# KiCad board 8-Bit CPU 32k.kicad_pcb (continued)
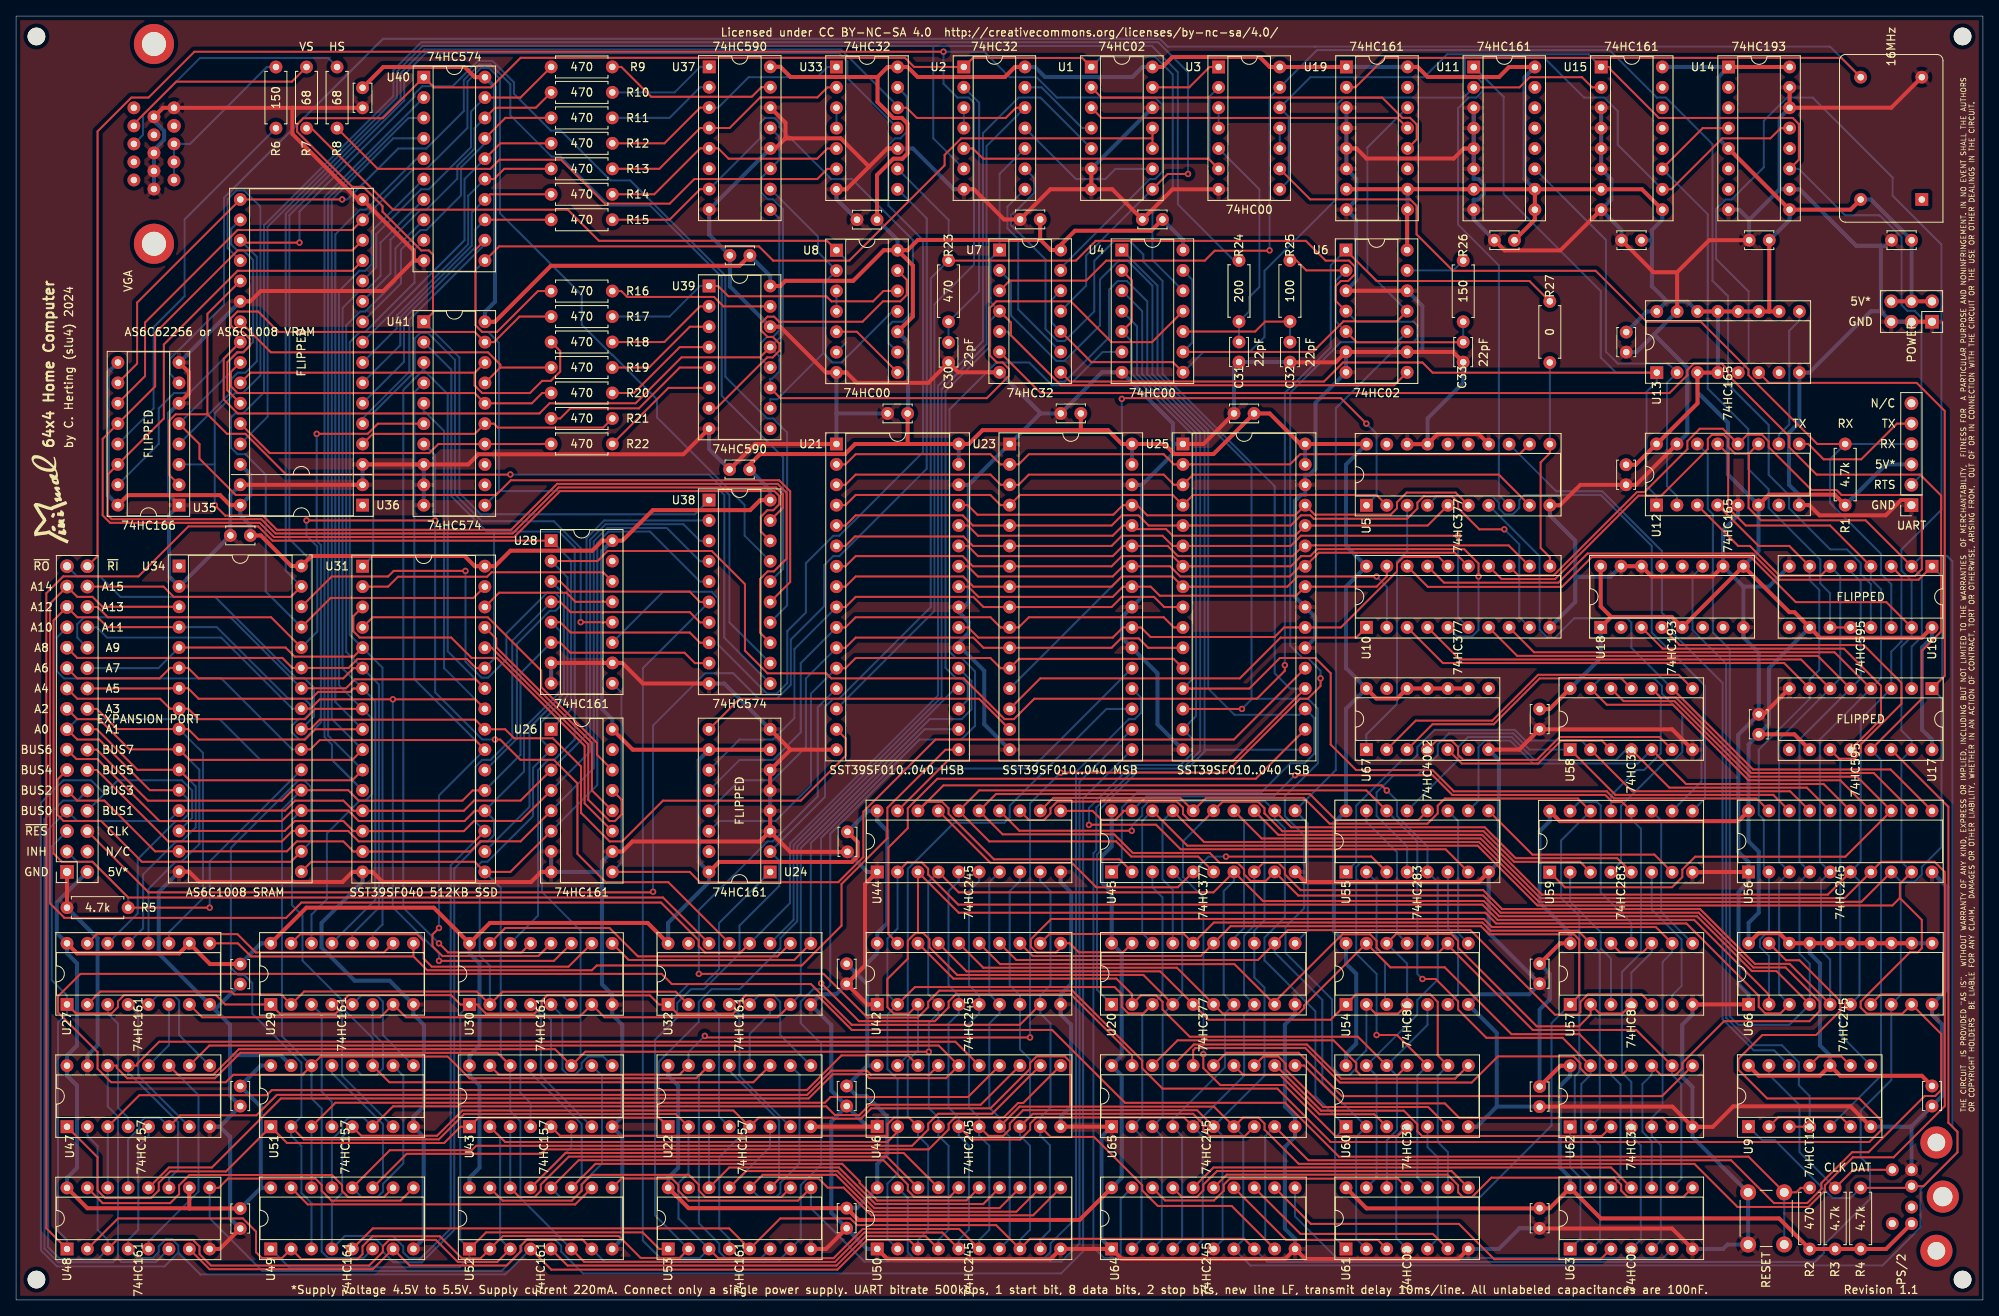
[diagram p0: board, top side]
## Routing (per net, layer and track width the routed paths; a pad name or vN(x,y) marks a point on that pad's centre or on a via; arc(x,y) is an arc through that point) (continued)
/Memory and MAR/INH: length 43.3
  Top w0.25: R5.2 v1(24.13,48.9)
  Bottom w0.25: J3.3 7.63,54.61 9.52,54.61 13.97,50.16 R5.2 ; U34.22 24.13,54.65 v1(24.13,48.9)
/PS2 Receiver/PS2_CLK: length 26.7
  Top w0.25: J2.5 228.95,16.22 R3.2
  Bottom w0.25: U9.13 218.44,28.09 222.25,24.28 222.25,18.42 R3.2
/PS2 Receiver/PS2_DAT: length 85.7
  Top w0.25: R4.2 236,13.97 236.21,14.17 237.69,14.17 241.94,18.41 241.94,20.95 240.8,22.09 240.8,61.46 U17.14
  Bottom w0.25: R4.2 228.6,12.7 226.37,12.7 225.57,13.5 225.57,13.51 219.16,19.92 217.58,19.92 U9.1
/UART/UART_RTS: length 138.8
  Top w0.25: U14.11 222.17,142.12 222.17,146.56 221.41,147.32 204.73,147.32 198.66,153.39 198.66,153.67 U15.1
  Bottom w0.25: U14.11 222.15,140.97 227.92,135.19 232.22,135.19 234.97,132.44 234.97,124.01 235.69,123.28 236.6,123.28 237.43,122.45 237.43,102.84 J1.2 ; U3.8 158.6,139.55 158.6,147.47 U3.12 161.29,152.4 175.48,152.4 178.33,155.26 195.95,155.26 U15.1
/UART/UART_RX: length 122.2
  Top w0.25: U3.9 161.28,137.17 173.73,137.17 174.53,136.37 174.53,132.81 179.07,128.27 196.85,128.27 203.2,121.92 209.95,121.92 215.89,115.98 215.89,115.26 224.47,106.68 R1.2
  Bottom w0.25: J1.4 R1.2 226.06,104.8 226.06,99.33 232.41,92.98 232.41,90.49 233.68,89.22 U16.14
/UART/UART_TX: length 16.6
  Top w0.25: J1.5 234.38,109.22 229.94,104.77 225.26,104.77 223.34,106.69 U12.9
/VGA/B0: length 145
  Top w0.25: U36.13 41.92,128.27 27.61,128.27 18.41,119.07 18.41,109.85 12.7,104.14 U35.14 11.43,102.88 11.43,97.79 11.91,97.31 30.56,97.31 32.33,95.53 61.88,95.53 67.61,101.27 94.7,101.27 95.56,100.41 95.56,98.73 U38.19
/VGA/B1: length 151.6
  Top w0.25: U38.18 92.82,95.77 92.82,97.61 93.63,98.42 94.36,98.42 95.11,99.17 95.11,100.21 94.5,100.82 67.8,100.82 62.06,95.08 32.14,95.08 30.37,96.86 11.73,96.86 10.8,97.79 10.8,107.33 U35.12 17.33,113.86 17.33,120.52 27.62,130.81 41.92,130.81 U36.14
/VGA/B2: length 146.9
  Top w0.25: U35.11 16.08,115.15 16.08,121.83 27.6,133.35 41.92,133.35 U36.15
  Bottom w0.25: U36.15 49.54,140.97 51.14,140.97 56.25,146.08 56.25,151.86 57.93,153.54 58.95,153.54 60.3,152.19 60.3,135.45 70.49,125.25 70.49,121.55 74.24,117.8 74.31,117.8 79.87,112.25 79.87,110 90.79,99.07 90.79,95.26 U38.17
/VGA/B3: length 153.5
  Top w0.25: U35.10 15.09,116.7 15.09,124.31 27.94,137.16 U36.17 v1(40.64,137.16)
  Bottom w0.25: v1(40.64,137.16) 41.27,137.16 47.62,143.51 51.13,143.51 55.8,148.18 55.8,152.04 57.74,153.99 59.13,153.99 61.59,151.52 61.59,147.64 66.74,142.5 67.86,142.5 73.96,136.41 79.03,136.41 87.94,127.5 87.94,112.68 95.59,105.03 95.59,91.14 U38.16
/VGA/B4: length 128.7
  Top w0.25: U38.15 96.47,89.48 96.47,100.79 95.09,102.17 61.66,102.17 59.83,100.33 27.38,100.33 22.86,104.84 22.86,106.67 U35.5
  Bottom w0.25: 26.66,115.57 U35.5 ; 26.67,115.57 26.67,117.16 27.62,118.11 28.27,118.11 29.54,119.39 29.54,129.62 28.35,130.81 27.57,130.81 26.81,131.57 26.81,133.49 U36.18
/VGA/B5: length 162.9
  Top w0.25: U36.19 28.25,131.78 v1(35.32,131.78)
  Bottom w0.25: U35.4 26.81,113.18 26.81,114.75 27.62,115.57 28.58,115.57 30,117 30,130.02 U36.19 ; U38.14 96.09,86.56 96.09,108.12 94.35,109.86 93.59,109.86 88.39,115.07 88.39,127.69 76.53,139.54 74.09,139.54 67.88,145.74 66.63,145.74 62.04,150.32 62.04,151.75 59.36,154.44 57.56,154.44 54.4,151.27 50.62,151.27 49.66,150.32 49.66,149.99 35.32,135.65 v1(35.32,131.78)
/VGA/B6: length 154.7
  Top w0.25: v1(24.77,99.06) 26.07,97.76 30.74,97.76 32.52,95.98 61.69,95.98 67.42,101.72 94.91,101.72 96.02,100.6 96.02,92.38 94.45,90.81 93.66,90.81 92.71,89.85 92.71,83.18 U38.13
  Bottom w0.25: U35.3 24.77,104.14 ; 24.77,104.14 24.77,110.49 27.3,113.03 28.27,113.03 30.45,115.22 30.45,136.27 28.43,138.29 27.47,138.29 26.36,137.19 26.36,131.12 U36.20 ; 24.77,104.14 v1(24.77,99.06)
/VGA/B7: length 124.2
  Top w0.25: U35.2 19.05,102.86 19.05,109.55 19.88,110.38 23.85,110.38 ; 23.85,110.38 23.85,122.9 U36.21 ; 23.85,110.38 26.28,107.95 28.58,107.95 33.66,102.87 61.58,102.87 v1(61.59,102.89)
  Bottom w0.25: v1(61.59,102.89) 61.61,102.87 86.36,102.87 88.9,100.33 88.9,84.45 U38.12
/VGA/H1: length 21.7
  Top w0.25: R9.2 75.43,153.68 79.15,149.96 91.68,149.96 92.87,151.15 U37.15
/VGA/H2: length 13.4
  Bottom w0.25: R10.2 82.07,150.5 85.25,153.69 U37.1
/VGA/H4: length 13.7
  Bottom w0.25: R11.2 81.43,147.33 85.25,151.15 U37.2
/VGA/H8: length 31.9
  Top w0.25: R12.2 80.8,144.16 85.25,148.61 U37.3
  Bottom w0.25: U37.3 87.51,148.61 91.3,152.4 99.84,152.4 101.11,153.67 U33.1
/VGA/H16: length 32.1
  Top w0.25: U33.2 101.11,151.13 99.86,149.88 92.73,149.88 88.92,146.07 U37.4 85.25,146.07 80.16,140.98 R13.2
/VGA/H32: length 31.4
  Top w0.25: R14.2 79.53,137.81 85.25,143.53 U37.5 87.51,143.53 88.8,142.24 99.84,142.24 101.11,143.51 U33.5
/VGA/V_A0: length 39.6
  Top w0.25: U40.19 62.86,149.86 R9.1
  Bottom w0.25: U40.19 56.7,148.13 56.7,143.7 51.43,138.43 50.48,138.43 44.88,132.84 44.88,128.7 U36.12
/VGA/V_A1: length 39.2
  Top w0.25: U40.18 59.7,148.59 64.77,148.59 R10.1
  Bottom w0.25: U36.11 46.66,127.94 46.66,132.14 50.42,135.89 51.13,135.89 54.99,139.75 54.99,141.34 57.15,143.5 57.15,146.04 U40.18
/VGA/V_A2: length 38.9
  Top w0.25: R11.1 60.98,147.33 U40.17
  Bottom w0.25: U40.17 58.43,144.14 55.44,141.15 55.44,137.66 51.13,133.35 50.42,133.35 47.96,130.89 47.96,126.69 U36.10
/VGA/V_A3: length 38.2
  Top w0.25: R12.1 60.34,144.16 U40.16
  Bottom w0.25: U36.9 55.89,132.09 55.89,139.7 U40.16
/VGA/V_A4: length 38
  Top w0.25: R13.1 60.84,140.98 59.56,139.7 U40.15
  Bottom w0.25: U36.8 47.43,121.09 47.43,122.68 56.34,131.59 56.34,137.61 U40.15
/VGA/V_A5: length 37.7
  Top w0.25: U40.14 59.08,137.81 R14.1
  Bottom w0.25: U36.7 47.88,119 47.88,122.49 56.79,131.4 56.79,135.52 U40.14
/VGA/V_A6: length 37.4
  Top w0.25: R15.1 58.44,134.63 U40.13
  Bottom w0.25: U36.6 48.33,116.91 48.33,122.31 57.24,131.21 57.24,133.43 U40.13
/VGA/V_A7: length 52.1
  Top w0.25: R16.1 65.03,125.74 59.94,120.65 58.09,120.65 57.25,121.49 57.25,130.9 U40.12
  Bottom w0.25: U40.12 58.43,131.59 49.01,122.17 49.01,115.7 43.18,109.87 U36.5
/VGA/V_A8: length 57.4
  Top w0.25: U36.27 26.33,113.38 26.33,116.89 27.55,118.11 28.33,118.11 29.13,118.91 29.13,119.79 28.27,120.65 27.58,120.65 26.76,121.47 26.76,122.36 27.59,123.19 30.17,123.19 32.71,120.65 57.15,120.65 U41.19 59.56,119.38 62.75,122.56 R17.2
/VGA/V_A9: length 49.5
  Top w0.25: R18.2 67.81,118.26 67.81,115.72 66.64,114.55 65.56,114.55 64.04,113.03 58.09,113.03 57.15,113.97 57.15,115.57 ; 57.18,115.57 29.22,115.57 U36.26 ; 57.17,115.57 U41.18
/VGA/V_A10: length 44
  Top w0.25: R19.2 60.35,116.22 ; 60.35,116.22 60.35,116.57 58.81,118.11 31.75,118.11 U36.23 ; 60.35,116.22 U41.17
/VGA/V_A11: length 44.8
  Top w0.25: U36.25 26.78,115.67 26.78,113.87 27.62,113.03 57.15,113.03 U41.16 64.27,111.75 65.56,113.04 R20.2
/VGA/V_A12: length 32.8
  Top w0.25: R21.1 73.17,108.73 60.04,108.73 59.56,109.22 U41.15 57.16,107.94 44.45,107.94 U36.4
/VGA/V_A13: length 40.7
  Top w0.25: U36.28 31.62,105.55 51.5,105.55 52.63,106.67 U41.14 65.54,106.67 65.56,106.69 R22.2
A0: length 175.7
  Top w0.25: U34.12 16.67,63.53 10.35,69.85 7.63,69.85 J3.15
  Bottom w0.25: U34.12 21.46,62.39 21.46,60.53 20.63,59.69 19.92,59.69 15.16,54.93 15.16,48.18 U27.14 ; U40.2 38.44,137.49 38.44,70.15 39.37,69.22 39.37,67.32 U31.12 39.38,67.31 30.44,67.31 25.36,72.39 7.61,72.39 J3.15
A1: length 152.9
  Top w0.25: J3.16 10.07,71.13 15.12,66.07 U34.11 21.62,64.77 41.9,64.77 U31.11
  Bottom w0.25: U27.13 15.83,46.31 15.83,53.04 19.95,57.15 20.63,57.15 22.39,58.91 22.39,64 U34.11 ; U31.11 38.89,70.34 38.89,137.3 48.91,147.32 U40.3
A2: length 153
  Top w0.25: U31.10 41.9,67.31 21.62,67.31 U34.10 14.13,68.62 10.35,72.39 7.63,72.39 J3.17
  Bottom w0.25: U27.12 16.51,51.23 19.89,54.61 20.62,54.61 22.84,56.83 22.84,66.09 U34.10 ; U40.4 47,144.78 39.34,137.12 39.34,72.43 U31.10
A3: length 144.1
  Top w0.25: J3.18 10.07,73.67 12.58,71.16 U34.9 21.44,71.16 22.75,69.85 36.01,69.85 37.29,71.13 U31.9
  Bottom w0.25: U27.11 19.05,45.84 23.29,50.08 23.29,68.18 U34.9 ; U31.9 39.79,74.52 39.79,132.81 42.86,135.89 43.58,135.89 49.93,142.24 U40.5
A4: length 144.2
  Top w0.25: U31.8 37.29,73.67 36.01,72.39 22.75,72.39 21.44,73.69 U34.8 19.19,73.69 17.95,74.93 7.63,74.93 J3.19
  Bottom w0.25: U40.6 44.31,133.2 44.31,129.07 43.51,128.27 42.79,128.27 40.24,125.72 40.24,76.61 U31.8 44.32,72.53 44.32,63.02 43.54,62.24 42.83,62.24 38.73,58.15 38.73,49.95 36.82,48.04 U29.14
A5: length 136.6
  Top w0.25: U31.7 42.05,76.21 41.63,75.78 37.64,75.78 36.79,74.93 22.75,74.93 21.44,76.23 U34.7 19.19,76.23 19.16,76.21 J3.20
  Bottom w0.25: U29.13 44.77,49.86 44.77,74.62 U31.7 40.69,78.7 40.69,123.63 42.78,125.73 43.51,125.73 45.42,127.64 45.42,131.77 U40.7
A6: length 136.6
  Top w0.25: U31.6 42.05,78.75 40.77,77.47 22.75,77.47 21.44,78.78 U34.6 19.19,78.78 17.88,77.47 7.63,77.47 J3.21
  Bottom w0.25: U40.8 47.28,131.09 47.28,126.96 43.51,123.19 42.86,123.19 41.14,121.46 41.14,80.79 U31.6 45.22,76.71 45.22,48.9 41.9,45.58 U29.12
A7: length 130.3
  Top w0.25: U31.5 42.08,80.19 34.71,80.19 33.58,81.31 U34.5
  Bottom w0.25: U29.11 44.44,45.58 45.67,46.81 45.67,78.8 U31.5 41.59,82.88 41.59,119.38 42.86,120.65 43.51,120.65 49.66,126.8 49.66,130.93 U40.9 ; U34.5 17.75,78.75 J3.22
A8: length 163.3
  Top w0.25: U31.27 57.32,78.75 56.2,79.88 42.54,79.88 41.44,78.78 U34.27 34.43,78.78 33.18,80.02 7.62,80.02 J3.23
  Bottom w0.25: 59.57,95.76 67.67,95.76 69.62,93.81 69.62,69.86 67.07,67.32 66.34,67.32 65.04,66.02 65.04,47.9 U30.14 ; 59.57,95.76 59.57,79.9 U31.27 ; 59.57,95.76 58.64,95.76 54.24,100.17 54.24,115.95 U41.2
A9: length 189.7
  Top w0.25: v1(52.7,44.45) 53.84,43.31 63,43.31 U30.13 ; U31.26 57.28,77.35 42.22,77.35 41.11,76.23 U34.26
  Bottom w0.25: U41.3 50.81,116.1 50.77,116.05 50.77,115.93 ; 50.77,115.93 53.79,112.91 53.79,80.84 U31.26 ; 50.77,115.93 48.26,113.42 48.26,48.9 v1(52.7,44.45) ; U34.26 26.7,85.09 8.49,85.09 7.62,84.22 7.62,82.56 J3.24
A10: length 157.3
  Top w0.25: U30.12 65.09,42.86 53.13,42.86 51.89,44.11 51.89,45.54 v1(52.7,46.35) ; U34.23 36.68,68.62 37.85,69.78 57.23,69.78 U31.23
  Bottom w0.25: J3.25 5.08,82.56 5.08,78.36 5.97,77.47 25.57,77.47 34.43,68.62 U34.23 ; U41.4 49.63,113.12 49.63,77.38 U31.23 52.7,62.88 v1(52.7,46.35)
A11: length 148.4
  Top w0.25: U31.25 57.23,74.86 v1(46.95,74.86) 37.85,74.86 36.68,73.69 U34.25 ; U30.11 67.03,42.26 v1(52.7,42.26)
  Bottom w0.25: J3.26 10.07,83.83 11.35,82.55 25.57,82.55 34.43,73.69 U34.25 ; U41.5 50.81,110.63 51.02,110.63 53.34,108.31 53.34,78.75 U31.25 ; v1(46.95,74.86) 46.95,48.93 52.7,43.18 v1(52.7,42.26)
A12: length 212.8
  Top w0.25: U41.6 45.08,109.22 43.82,107.95 v1(37.47,107.95) ; U34.4 11.39,83.85 10.16,85.09 7.63,85.09 J3.27 4.67,84.69 4.67,55.66 5.72,54.61 9.52,54.61 13.98,50.16 80.62,50.16 U32.14
  Bottom w0.25: v1(37.47,107.95) 37.47,94.62 37.99,94.09 37.99,71.96 35.88,69.85 35.27,69.85 34.37,70.74 34.37,71.57 35.23,72.42 35.93,72.42 36.68,73.17 36.68,74.17 35.92,74.93 33.94,74.93 25.01,83.85 U34.4
A13: length 148.3
  Top w0.25: U32.13 88.88,44.47 81.28,52.07 73.48,52.07 69.96,55.6 69.96,64.39 67.02,67.32 62.86,67.32 60.33,69.85 v1(59.69,69.85) ; J3.28 10.15,86.37 11.43,85.09 31.78,85.09 U34.28 ; v1(52.22,97.16) v1(36.19,97.16)
  Bottom w0.25: v1(59.69,69.85) 59.68,69.86 58.1,69.86 52.22,75.73 52.22,105.26 U41.7 ; U34.28 37.54,83.3 37.54,93.91 36.19,95.25 v1(36.19,97.16)
A14: length 278.6
  Top w0.25: U34.3 10.76,86.4 9.53,87.63 7.63,87.63 J3.29 4.22,86.78 4.22,49.44 6.03,47.62 33.66,47.62 35.56,49.53 80.37,49.53 85.07,44.83 85.07,44.09 85.87,43.29 90.27,43.29 U32.12
  Bottom w0.25: U32.12 96.45,49.47 96.45,56.89 114.89,75.34 114.89,113.93 120.49,119.54 120.49,145.43 124.92,149.86 127.65,149.86 U1.5
A15: length 299
  Top w0.25: J3.30 18.37,88.91 19.65,87.63 34.25,87.63 U34.31 ; U2.12 124.6,148.59 123.33,147.32 112.25,147.32 110.98,148.59 U33.12
  Bottom w0.25: U34.31 33.6,90.89 33.6,135.37 47.93,149.69 47.93,152.91 50.86,155.85 102.82,155.85 109.86,148.81 U33.12 ; U32.11 96.9,47.38 96.9,56.71 115.34,75.15 115.34,113.52 120.94,119.12 120.94,143.81 U2.12
CLK_MAR: length 333.7
  Top w0.25: v1(158.12,79.11) 158.12,78.42 154.62,74.93 126.89,74.93 124.35,72.39 123.19,72.39 118.11,77.47 101.59,77.47 100.96,78.1 93.65,78.1 90.83,80.92 90.83,89.22 86.7,93.34 73.72,93.34 72.47,92.09 U28.2 ; U27.2 10.5,38.44 26.82,38.44 27.17,38.08 33.03,38.08 U29.2 35.89,38.44 57.43,38.44 U30.2 60.64,38.42 82.2,38.42 U32.2 ; R27.2 188.59,127 169.54,127 165.69,130.86
  Bottom w0.25: U6.1 163.83,128.95 163.83,118.75 158.12,113.03 v1(158.12,79.11) ; U30.2 59.05,41.65 57.77,42.92 57.77,52.08 57.27,52.58 57.27,53.86 58.03,54.62 58.75,54.62 64.43,60.3 64.43,66.34 U26.2 65.4,69.87 65.4,71.97 68.72,75.28 68.72,90.06 U28.2
CLK_PC: length 398.8
  Top w0.25: U6.4 164.46,124.51 164.46,126.36 165.1,127 166.01,127 166.86,127.85 166.86,128.79 166.11,129.54 163.19,129.54 160.74,132 134.54,132 132.08,129.54 R23.1 ; U48.2 12.7,10.16 28.27,10.16 29.91,8.52 29.91,5.94 30.62,5.24 33.16,5.24 U49.2 35.56,5.08 42.55,5.08 43.18,5.72 43.18,6.69 44.42,7.94 52.81,7.94 55.56,5.19 57.89,5.19 U52.2 60.67,7.97 75.1,7.97 77.84,5.23 82.68,5.23 U53.2
  Bottom w0.25: U33.9 116.2,134.62 R23.1 113.99,127.33 113.99,86.36 102.56,74.93 101.84,74.93 100.81,73.91 100.81,62.71 93.98,55.88 U24.2 95.11,54.74 95.11,51.6 90.15,46.64 90.15,43.16 85.73,38.73 84.11,38.73 82.39,37.01 82.39,35.19 79.63,32.44 79.63,10.54 U53.2 ; U20.11 160.97,46.04 160.97,59.39 U45.11 164.46,66.04 164.46,111.12 172.72,119.38 174.13,119.38 174.62,119.88 174.62,121.47 174.18,121.92 167.06,121.92 U6.4
PC0: length 112.8
  Top w0.25: U46.18 111.14,30.48 102.87,30.48 98.54,26.16 31.87,26.16 31.24,25.52 15.36,25.52 U47.3
  Bottom w0.25: U47.3 U48.14
PC1: length 112.5
  Top w0.25: U46.17 113.82,28.1 106.52,28.1 106.05,28.57 101.6,28.57 98.58,25.56 32.5,25.56 29.95,23.01 20.47,23.01 U47.6
  Bottom w0.25: U48.13 13.97,20 15.38,21.41 15.38,22.06 16.04,22.71 17.93,22.71 U47.6
PC2: length 205.6
  Top w0.25: U48.12 19.05,16.51 24.41,16.51 33.01,25.11 98.77,25.11 101.79,28.13 105.86,28.13 106.34,27.65 115.91,27.65 U46.16 117.46,29.22 114.98,31.71 24.09,31.71 U47.10
PC3: length 127.1
  Top w0.25: U46.15 117.06,32.18 17.83,32.18 15.1,29.44 15.1,29.21 U47.13
  Bottom w0.25: U47.13 13.97,28.08 14.25,28.08 20.2,22.14 20.2,16.24 19.05,15.1 U48.11
PC4: length 96.5
  Top w0.25: U46.14 118.63,25.29 101.49,25.29 100.78,24.58 39.81,24.58 U51.3
  Bottom w0.25: U51.3 U49.14
PC5: length 97.8
  Top w0.25: U51.6 46.98,24.13 100.97,24.13 102.05,23.05 105.1,23.05 106.39,24.33 120.21,24.33 U46.13
  Bottom w0.25: U49.13 39.36,20 40.64,21.28 40.64,21.92 41.43,22.71 43.32,22.71 U51.6
PC6: length 114.4
  Top w0.25: U46.12 121.63,23.21 114.9,23.21 113.67,21.98 113.67,21.23 111.66,19.21 57.33,19.21 56.78,18.66 46.58,18.66 U49.12
  Bottom w0.25: U51.10 48.26,27.93 48.26,17.01 45.72,14.47 45.72,13.5 45.02,12.8 43.08,12.8 U49.12
PC7: length 110.9
  Top w0.25: U46.11 125.51,24.55 124.87,24.55 123.08,22.76 117.01,22.76 116.21,21.95 116.21,21.24 113.73,18.76 65.96,18.76 65.41,18.21 48.67,18.21 U49.11
  Bottom w0.25: U51.13 39.36,28.27 45.72,21.91 45.72,15.26 U49.11
PC8: length 63
  Top w0.25: U50.18 108.52,17.86 68.88,17.86 65.39,14.37 65.39,13.6 64.62,12.83 62.72,12.83 U52.14
  Bottom w0.25: U43.3 U52.14
PC9: length 64.1
  Top w0.25: U52.13 68.47,18.31 110.61,18.31 U50.17
  Bottom w0.25: U43.6 69.2,19.05 U52.13
PC10: length 76.8
  Top w0.25: U52.12 70.11,17.41 108.09,17.41 111.13,14.37 111.13,13.65 111.93,12.85 116.35,12.85 U50.16
  Bottom w0.25: U43.10 73.02,27.93 73.02,17 70.48,14.45 70.48,13.64 69.67,12.83 67.8,12.83 U52.12
PC11: length 73.1
  Top w0.25: U52.11 72.2,16.96 102.95,16.96 105.12,14.79 105.12,14.58 107.3,12.4 118.44,12.4 U50.15
  Bottom w0.25: U52.11 70.48,15.25 70.48,21.93 64.12,28.29 U43.13
PC12: length 47.6
  Top w0.25: U53.14 88.88,16.51 102.54,16.51 107.1,11.95 120.53,11.95 U50.14
  Bottom w0.25: U53.14 86.35,20.45 86.34,20.46 U22.3
PC13: length 49.7
  Top w0.25: U50.13 122.57,11.45 106.97,11.45 102.35,16.06 90.97,16.06 U53.13
  Bottom w0.25: U22.6 93.96,19.05 U53.13
PC14: length 61.8
  Top w0.25: U53.12 93.04,15.59 102.09,15.59 102.11,15.61 102.17,15.61 106.78,11 124.66,11 U50.12
  Bottom w0.25: U22.10 97.62,28.09 97.62,16.98 95.25,14.6 95.25,13.34 94.77,12.86 92.55,12.86 U53.12
PC15: length 58.3
  Top w0.25: U50.11 126.75,10.55 106.59,10.55 103.13,14 101.14,14 100.01,15.14 95.13,15.14 U53.11
  Bottom w0.25: U22.13 88.88,28.57 95.09,22.36 95.09,15.1 U53.11
~{CLK_PLS}: length 102.9
  Top w0.25: U7.10 134,116.89 144.15,116.89 U4.8 ; U11.2 187.36,151.13 188.63,152.4 195.14,152.4 196.41,151.13 U15.2
  Bottom w0.25: U7.10 129.06,121.82 129.06,124.66 U7.12 ; U4.8 147.95,118.15 153.71,118.15 155.57,120.02 155.57,128.27 164.65,137.35 164.65,149.06 165.45,149.86 180.38,149.86 U11.2
~{RESET}: length 581
  Top w0.25: U53.1 80.14,6.36 78.08,8.42 58.58,8.42 U52.1 ; U27.1 7.48,35.7 11.9,35.7 12.7,36.5 12.7,37.23 13.46,37.99 24.9,37.99 26.06,36.83 U29.1 32.88,35.69 39.83,35.69 40.63,36.49 40.63,37.18 41.44,37.99 54.21,37.99 55.38,36.82 U30.1 57.63,36.82 57.63,36.62 58.57,35.69 64.6,35.69 65.49,36.58 65.49,37.27 66.18,37.96 79,37.96 80.13,36.82 U32.1 82.39,35.69 89.34,35.69 90.15,36.49 90.15,37.19 90.91,37.95 99.85,37.95 104.14,33.66 129.11,33.66 138.19,24.57 158.14,24.57 164.85,17.86 215.89,17.86 SW1.1 221.83,13.41 222.39,13.97 R2.2 ; U48.1 3.77,8.93 3.77,88.07 5.88,90.18 15.25,90.18 21.48,96.41 30.18,96.41 31.96,94.63 U28.1
  Bottom w0.25: J3.5 4.44,56.53 4.44,39.86 6.35,37.96 U27.1 6.35,35.7 5.22,34.58 5.22,8.6 6.35,7.48 U48.1 ; U26.1 69.17,73.61 69.17,92.15 U28.1 ; U24.1 87.61,46.98 87.61,41.25 85.73,39.37 83.82,39.37 ; U49.1 34.03,4.07 55.28,4.07 56.51,5.3 U52.1 55.36,7.5 55.36,35.67 U30.1 ; SW1.1 SW1.1 ; U32.1 83.81,39.37
Net-(C30-Pad1): length 34.2
  Bottom w0.25: C30.1 R23.2 120.02,125.73 120.02,149.23 U2.2
Net-(C31-Pad1): length 27.3
  Bottom w0.25: C31.1 R24.2 153.67,123.21 153.67,124.97 154.94,126.24 154.94,138.43 U3.5
Net-(C32-Pad1): length 16.4
  Top w0.25: R25.2 155.66,121.94 154.42,120.7 U4.10
  Bottom w0.25: C32.1 R25.2
Net-(C33-Pad1): length 33.9
  Top w0.25: R25.1 159.55,129.56 160.79,128.32 U6.2 ; C33.1 180.32,119.36 167.07,119.36 U6.5
  Bottom w0.25: R26.2 C33.1 ; U6.2 164.46,127.05 164.46,121.97 U6.5
Net-(J3-Pad6): length 187
  Top w0.25: v1(79.38,50.88) 79.3,50.8 16.52,50.8 J3.6
  Bottom w0.25: U33.8 113.48,134.81 113.48,103.59 102.6,92.71 101.84,92.71 100.71,91.58 100.71,86.46 96.55,82.31 96.55,76.68 94.8,74.93 92.54,74.93 89.37,78.1 85.88,78.1 79.38,71.61 v1(79.38,50.88)
Net-(J4-Pad1): length 21.2
  Bottom w0.25: J4.1 J4.2 J4.3 21.68,144.08 31.26,153.66 R6.2
Net-(J4-Pad13): length 31.7
  Bottom w0.25: J4.13 15.81,145.21 15.81,147.68 22.93,154.8 38.87,154.8 R8.1
Net-(J4-Pad14): length 24.7
  Top w0.25: R7.1 34.38,151.84 19.96,151.84 14.69,146.57 J4.14
Net-(R6-Pad1): length 47.5
  Bottom w0.25: U35.13 12.7,106.68 17.14,111.12 17.14,121.25 21,125.11 21,134.66 R6.1
Net-(R7-Pad2): length 86
  Top w0.25: U8.1 101.06,132.01 72.63,132.01 68.75,135.89 46.97,135.89 36.82,146.05 36.19,146.05
  Bottom w0.25: U8.6 103.38,119.28 103.38,129.69 U8.1
Net-(R8-Pad2): length 68.9
  Top w0.25: 40.01,146.05 45.08,140.97 59.09,140.97 60.24,142.11 67.91,142.11 73.38,136.64 81.46,136.64 84.52,139.7 99.84,139.7 101.11,140.97 U33.6
Net-(R26-Pad1): length 7.5
  Bottom w0.25: U6.13 179.12,128.32 R26.1
Net-(R27-Pad1): length 26.3
  Top w0.25: U10.11 191.14,92.58 189.99,93.72 189.99,104.39 191.14,105.54 U5.11
  Bottom w0.25: R27.1 191.14,116.83 U5.11
Net-(U1-Pad4): length 10.4
  Bottom w0.25: U1.4 132.87,146.06 127.79,151.13 U2.13
Net-(U1-Pad9): length 19
  Bottom w0.25: U1.9 141.61,140.97 137.01,140.97 135.74,139.7 132.08,139.7 U2.11
Net-(U1-Pad13): length 9.3
  Top w0.25: U1.13 146.2,151.13 148.73,153.67 U3.1
Net-(U2-Pad3): length 2.5
  Bottom w0.25: U2.4 U2.3
Net-(U2-Pad5): length 43.9
  Top w0.25: U3.6 148.59,142.24 120.51,142.24 119.24,143.51 U2.5
  Bottom w0.25: U3.6 148.71,142.12 148.71,149.98 U3.2
Net-(U2-Pad8): length 23.9
  Bottom w0.25: U7.9 124.88,123.46 124.88,132.23 123.53,133.58 123.53,136.24 U2.8
Net-(U3-Pad3): length 2.5
  Bottom w0.25: U3.4 U3.3
Net-(U3-Pad10): length 2.5
  Bottom w0.25: U3.11 U3.10
Net-(U8-Pad3): length 2.5
  Bottom w0.25: U8.4 U8.3
Net-(U8-Pad5): length 9.7
  Top w0.25: U8.8 104.77,120.67 U8.5
Net-(U9-Pad2): length 11.1
  Top w0.25: U9.6 227.42,22.78 219.61,22.78 U9.2
Net-(U9-Pad11): length 6
  Top w0.25: U9.9 227.47,30.34 224.64,30.34 U9.11
Net-(U11-Pad11): length 53.9
  Bottom w0.25: U11.11 198.12,132.12 198.12,118.19 199.61,116.71 205.87,116.71 U13.2 205.74,114.32 205.74,101.43 206.97,100.2 206.97,99.07
Net-(U12-Pad10): length 17.6
  Bottom w0.25: U12.10 219.68,107.82 220.98,109.12 220.98,120.81 222.24,122.07 U13.9
Net-(U14-Pad4): length 78.7
  Top w0.25: U16.12 U16.11 ; U15.11 205.15,141.02 210.19,146.05 U14.4
  Bottom w0.25: U15.11 210.81,135.31 210.81,113.58 215.87,108.52 215.87,103.57 218.4,101.03 218.4,98.71 224.84,92.27 224.84,89.31 226.06,88.09 U16.11
Net-(U17-Pad11): length 89.5
  Top w0.25: U18.4 207.3,81.62 230.24,81.62 234.95,76.92 234.95,74.29 229.87,69.21 229.87,68.26 229.07,67.46 227.18,67.46 U17.11
  Bottom w0.25: U17.11 227.33,67.31 227.33,33.02 U9.8
Net-(U17-Pad12): length 42.4
  Top w0.25: U17.12 232.41,72.39 232.41,76.55 227.78,81.17 205.21,81.17 U18.3
Net-(U18-Pad11): length 81
  Top w0.25: U9.4 U9.3
  Bottom w0.25: U18.11 208.91,90.19 208.91,83.5 213.11,79.3 213.11,35.18 216.54,31.75 220.04,31.75 222.17,29.62 222.17,26.76 223.51,25.41 U9.4
Net-(U22-Pad4): length 16.3
  Bottom w0.25: U22.4 87.61,22.86 87.61,35.55 U32.3
Net-(U22-Pad7): length 18.4
  Bottom w0.25: U32.4 90.15,35.55 90.15,27.94 U22.7
Net-(U22-Pad9): length 14.1
  Bottom w0.25: U22.9 95.23,33.02 95.23,37.14 94.41,37.96 92.56,37.96 U32.5
Net-(U22-Pad12): length 8.7
  Bottom w0.25: U32.6 93.96,35.69 91.42,33.15 U22.12
Net-(U27-Pad3): length 16.3
  Bottom w0.25: U47.4 13.97,22.72 12.7,23.99 12.7,34.43 11.43,35.7 U27.3
Net-(U27-Pad4): length 18.4
  Bottom w0.25: U47.7 15.24,27.94 15.24,35.56 U27.4
Net-(U27-Pad5): length 14.2
  Bottom w0.25: U27.5 17.63,37.95 19.67,37.95 20.32,37.31 20.32,33.02 U47.9
Net-(U27-Pad6): length 8.7
  Bottom w0.25: U47.12 19.05,31.75 U27.6
Net-(U27-Pad15): length 40
  Top w0.25: U29.10 45.84,43.31 29.86,43.31 27.59,45.59 10.03,45.59 U27.15
Net-(U29-Pad3): length 16.3
  Bottom w0.25: U51.4 39.36,24.69 38.09,25.97 38.09,35.56 U29.3
Net-(U29-Pad4): length 18.4
  Bottom w0.25: U29.4 40.63,35.56 40.63,27.94 U51.7
Net-(U29-Pad5): length 14.2
  Bottom w0.25: U29.5 43.03,37.96 44.94,37.96 45.71,37.19 45.71,33.02 U51.9
Net-(U29-Pad6): length 13.1
  Bottom w0.25: U29.6 44.44,33.26 45.72,31.98 45.72,28.85 44.91,28.04 43.07,28.04 U51.12
Net-(U29-Pad15): length 42.1
  Top w0.25: U29.15 35.41,45.58 49.98,45.58 50.8,44.76 50.8,42.54 51.81,41.54 68.84,41.54 U30.10
Net-(U30-Pad3): length 16.3
  Bottom w0.25: U30.3 62.86,35.55 62.86,25.81 64.12,24.54 U43.4
Net-(U30-Pad4): length 18.4
  Bottom w0.25: U30.4 65.4,35.54 65.4,27.93 U43.7
Net-(U30-Pad5): length 17
  Bottom w0.25: U30.5 68.08,35.41 68.08,28.74 68.76,28.06 69.64,28.06 70.48,28.89 70.48,29.53 71.29,30.35 73.15,30.35 U43.9
Net-(U30-Pad6): length 13.1
  Bottom w0.25: U30.6 68.01,38.02 66.23,38.02 65.5,37.29 65.5,36.08 66.67,34.92 U43.12
Net-(U30-Pad15): length 40.4
  Top w0.25: U32.10 94.88,42.82 77.49,42.82 73.96,46.35 60.96,46.35 U30.15
Net-(U31-Pad22): length 220.2
  Top w0.25: U34.30 39.33,90.17 46.36,90.17 47.05,90.87 v1(56,90.87)
  Bottom w0.25: U34.30 36.83,87.67 36.83,92.07 34.06,94.84 34.06,135.19 48.38,149.51 48.38,152.72 51.05,155.4 102.57,155.4 103.59,154.38 103.59,152.32 U33.11 ; v1(56,90.87) 56,79.57 58.01,77.56 58.83,77.56 61.1,79.84 61.1,83.06 66.22,88.18 67.14,88.18 67.81,87.51 67.81,86.47 67.23,85.89 66.51,85.89 62.41,81.79 62.41,69.94 58.52,66.05 U31.22
Net-(U33-Pad3): length 2.5
  Bottom w0.25: U33.4 U33.3
Net-(U37-Pad9): length 22
  Bottom w0.25: U37.9 95.11,134.8 95.11,120.82 94.31,120.02 93.58,120.02 92.82,119.26 92.82,117.38 U39.12
Net-(U37-Pad10): length 47
  Bottom w0.25: 100.6,118 101.76,116.84 102.84,116.84 109.22,123.22 U8.11 ; 100.6,118 100.6,126.66 U8.2 99.95,130.58 99.95,132.5 U37.10 ; 100.6,118 94.87,112.26 93.98,112.26 93.98,111.13
Net-(U48-Pad15): length 43
  Top w0.25: U49.10 45.83,12.83 41.38,12.83 40.63,13.58 40.63,14.31 39.37,15.57 21.6,15.57 20.32,14.29 20.32,13.17 19.21,12.06 10.8,12.06 U48.15
Net-(U49-Pad15): length 39.2
  Top w0.25: U52.10 69.68,11.91 36.35,11.91 U49.15
Net-(U52-Pad15): length 41.9
  Top w0.25: U52.15 60.63,12.38 69.27,12.38 70.48,13.6 70.48,14.37 71.7,15.59 83.86,15.59 85.08,14.37 85.08,13.64 85.88,12.83 95.36,12.83 U53.10
Net-(U54-Pad3): length 17.5
  Bottom w0.25: U55.2 169.54,52.07 169.54,43.18 170.58,42.14 170.58,36.84
Net-(U54-Pad6): length 17.6
  Bottom w0.25: U54.6 179.7,38.1 179.7,45.08 178.44,46.35 U55.6
Net-(U54-Pad8): length 17.6
  Bottom w0.25: U54.8 179.7,45.72 179.7,59.69 U55.11
